# KiCad board trifecta.kicad_pcb (continued)
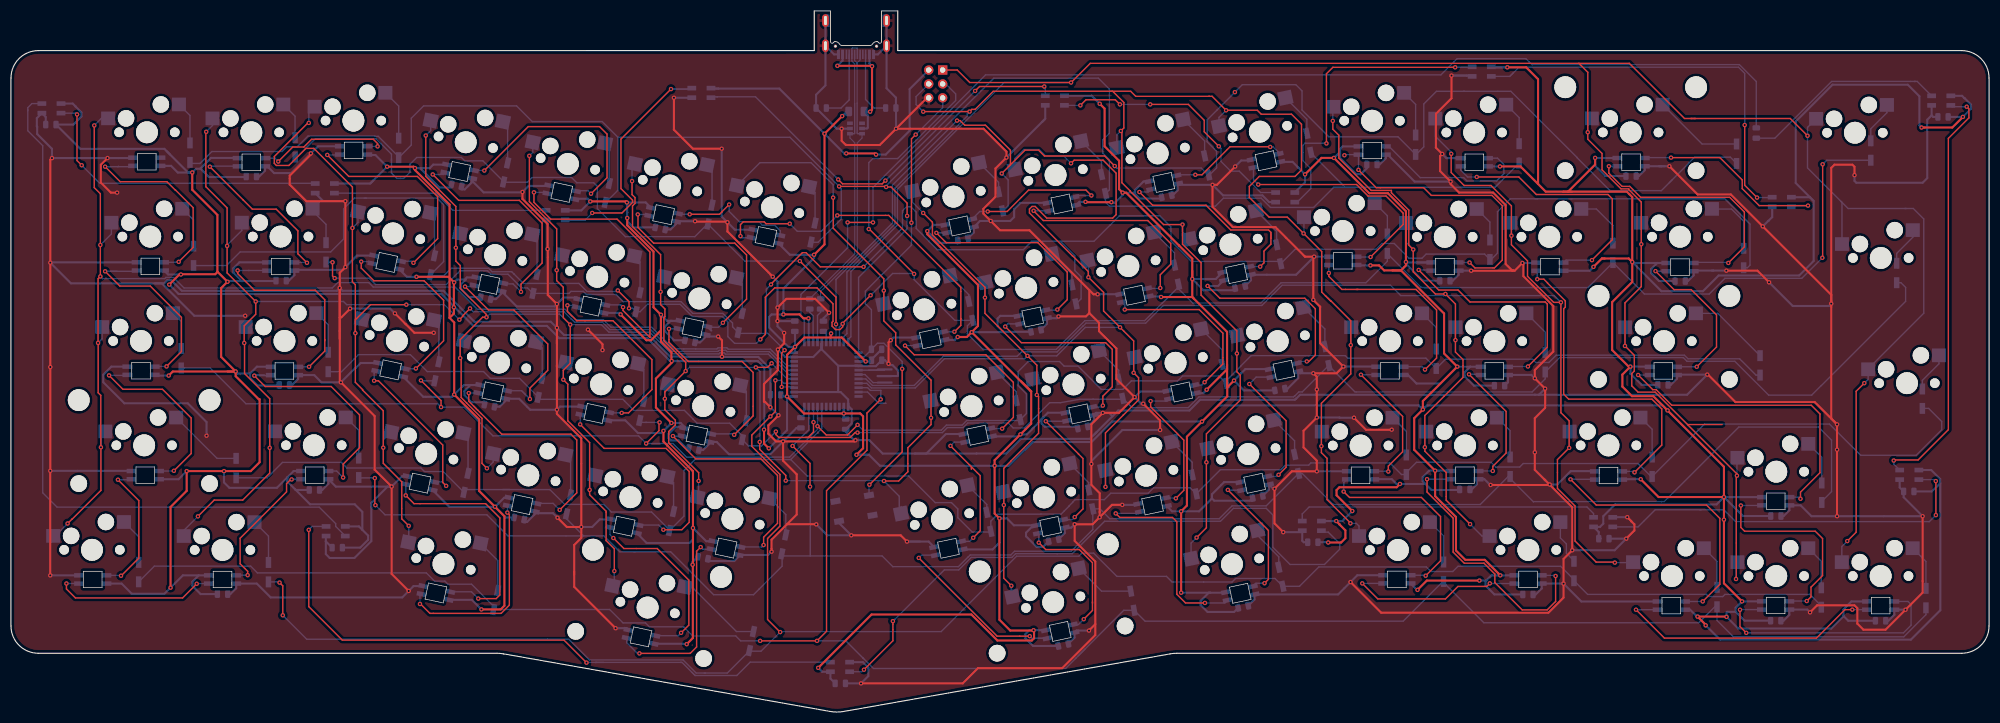
[diagram p0: board, top side]
## Nets (continued)
Net-(D_56-Pad2): D_56.2 K_56.2
Net-(D_57-Pad2): D_57.2 K_57.2
Net-(D_58-Pad2): D_58.2 K_58.2
Net-(D_59-Pad2): D_59.2 K_59.2
Net-(D_60-Pad2): D_60.2 K_60.2
Net-(D_62-Pad2): D_62.2 K_62.2
Net-(D_63-Pad2): D_63.2 K_63.2
Net-(D_64-Pad2): D_64.2 K_64.2
Net-(D_65-Pad2): D_65.2 K_65.2
Net-(D_66-Pad2): D_66.2 K_66.2
Net-(D_67-Pad2): D_67.2 K_67.2
Net-(D_68-Pad2): D_68.2 K_68.2
Net-(D_69-Pad2): D_69.2 K_69.2
Net-(D_70-Pad2): D_70.2 K_70.2
Net-(D_71-Pad2): D_71.2 K_71.2
Net-(D_72-Pad2): D_72.2 K_72.2
Net-(J1-PadA5): J1.A5 R2.2
Net-(J1-PadA8): J1.A8
Net-(J1-PadB5): J1.B5 R3.2
Net-(J1-PadB8): J1.B8
Net-(J2-Pad5): J2.5 R1.2 SW1.2 U1.13
Net-(LED1-Pad2): LED1.2
Net-(LED1-Pad4): LED1.4 LED17.2
Net-(LED2-Pad4): LED2.4 LED3.2
Net-(LED4-Pad4): LED4.4 LED5.2
Net-(LED6-Pad4): LED6.4 LED7.2
Net-(LED8-Pad4): LED8.4 LED9.2
Net-(LED10-Pad2): LED10.2 LED26.4
Net-(LED10-Pad4): LED10.4 LED11.2
Net-(LED11-Pad4): LED11.4 LED27.2
Net-(LED12-Pad2): LED12.2 LED28.4
Net-(LED12-Pad4): LED12.4 LED13.2
Net-(LED13-Pad4): LED13.4 LED29.2
Net-(LED15-Pad2): LED15.2 LED30.4
Net-(LED15-Pad4): LED15.4 ULED14.2
Net-(LED17-Pad4): LED17.4 LED33.2
Net-(LED18-Pad2): LED18.2 LED34.4
Net-(LED18-Pad4): LED2.2 LED18.4
Net-(LED19-Pad2): LED3.4 LED19.2
Net-(LED19-Pad4): LED19.4 LED35.2
Net-(LED20-Pad2): LED20.2 LED36.4
Net-(LED20-Pad4): LED4.2 LED20.4
Net-(LED21-Pad2): LED5.4 LED21.2
Net-(LED21-Pad4): LED21.4 LED37.2
Net-(LED22-Pad2): LED22.2 LED38.4
Net-(LED22-Pad4): LED6.2 LED22.4
Net-(LED23-Pad2): LED7.4 LED23.2
Net-(LED23-Pad4): LED23.4 LED39.2
Net-(LED24-Pad2): LED24.2 LED40.4
Net-(LED24-Pad4): LED8.2 LED24.4
Net-(LED25-Pad2): LED9.4 LED25.2
Net-(LED25-Pad4): LED25.4 LED41.2
Net-(LED26-Pad2): LED26.2 LED42.4
Net-(LED27-Pad4): LED27.4 LED43.2
Net-(LED28-Pad2): LED28.2 LED44.4
Net-(LED29-Pad4): LED29.4 LED59.2
Net-(LED30-Pad2): LED30.2 LED45.4
Net-(LED33-Pad4): LED33.4 LED47.2
Net-(LED34-Pad2): LED34.2 LED48.4
Net-(LED35-Pad4): LED35.4 LED49.2
Net-(LED36-Pad2): LED36.2 LED50.4
Net-(LED37-Pad4): LED37.4 LED51.2
Net-(LED38-Pad2): LED38.2 LED52.4
Net-(LED39-Pad4): LED39.4 LED53.2
Net-(LED40-Pad2): LED40.2 LED54.4
Net-(LED41-Pad4): LED41.4 LED55.2
Net-(LED42-Pad2): LED42.2 LED56.4
Net-(LED43-Pad4): LED43.4 LED57.2
Net-(LED44-Pad2): LED44.2 LED58.4
Net-(LED45-Pad2): LED45.2 LED60.4
Net-(LED47-Pad4): LED47.4 LED62.2
Net-(LED48-Pad2): LED48.2 LED63.4
Net-(LED49-Pad4): LED49.4 LED64.2
Net-(LED50-Pad2): LED50.2 LED64.4
Net-(LED51-Pad4): LED51.4 LED65.2
Net-(LED52-Pad2): LED52.2 LED65.4
Net-(LED53-Pad4): LED53.4 LED66.2
Net-(LED54-Pad2): LED54.2 LED66.4
Net-(LED55-Pad4): LED55.4 LED67.2
Net-(LED56-Pad2): LED56.2 LED67.4
Net-(LED57-Pad4): LED57.4 LED68.2
Net-(LED58-Pad2): LED58.2 LED69.4
Net-(LED59-Pad4): LED59.4 LED70.2
Net-(LED60-Pad2): LED60.2 LED71.4
Net-(LED62-Pad4): LED62.4 LED63.2
Net-(LED68-Pad4): LED68.4 LED69.2
Net-(LED70-Pad4): LED70.4 LED72.2
Net-(LED71-Pad2): LED71.2 LED72.4
Net-(R4-Pad1): R4.1 U1.4
Net-(R5-Pad1): R5.1 U1.3
Net-(R6-Pad2): R6.2 U1.33
Net-(R7-Pad1): R7.1 ULED1.4
Net-(U1-Pad16): U1.16 Y1.3
Net-(U1-Pad17): U1.17 Y1.1
Net-(U1-Pad42): U1.42
Net-(U2-Pad3): U2.3
Net-(U2-Pad4): U2.4
Net-(ULED1-Pad2): ULED1.2 ULED2.4
Net-(ULED2-Pad2): ULED2.2 ULED3.4
Net-(ULED3-Pad2): ULED3.2 ULED4.4
Net-(ULED4-Pad2): ULED4.2 ULED5.4
Net-(ULED5-Pad2): ULED5.2 ULED6.4
Net-(ULED6-Pad2): ULED6.2 ULED7.4
Net-(ULED7-Pad2): ULED7.2 ULED8.4
Net-(ULED8-Pad2): ULED8.2 ULED9.4
Net-(ULED10-Pad2): ULED10.2 ULED11.4
Net-(ULED10-Pad4): ULED9.2 ULED10.4
Net-(ULED11-Pad2): ULED11.2 ULED12.4
Net-(ULED12-Pad2): ULED12.2 ULED13.4
Net-(ULED13-Pad2): ULED13.2 ULED14.4

Pads without a net: SW1 3 4

## Via types
v1: diameter 0.8, hole 0.4, Top to Bottom, 498 vias

## Routing (per net, layer and track width the routed paths; a pad name or vN(x,y) marks a point on that pad's centre or on a via; arc(x,y) is an arc through that point)
+5V: length 2466.8
  Top w0.381: v1(41.01,62.17) 41.01,61.31 45.23,57.09 45.38,57.09 45.38,45.61 43.76,43.99 v1(38.88,43.99) v1(32.07,43.99) 32.07,40.38 29.12,37.43 v1(29.12,22.7) ; v1(41.01,62.17) 38.36,64.83 38.36,77.4 v1(39.51,78.56) 37.71,80.36 ; v1(41.01,62.17) 39.53,62.17 ; v1(41.01,62.17) 29.54,62.17 v1(28.78,61.42) ; 37.71,80.36 37.28,79.93 31.07,79.93 ; 37.71,80.36 37.67,80.4 37.67,90.77 33.09,95.35 v1(33.09,98.5) ; v1(175.33,69.35) 176.48,70.5 176.48,77.99 167.23,87.23 v1(167.23,87.8) ; v1(175.33,69.35) 186.12,58.55 186.19,58.55 ; v1(175.33,69.35) 175.31,69.33 ; v1(175.33,69.35) 174.45,68.47 v1(172.78,68.47) ; v1(295.88,82.16) 295.23,82.8 290.84,82.8 ; v1(295.88,82.16) 295.88,78.52 292.21,74.85 292.21,66.09 295.23,63.06 v1(295.53,63.06) 294.07,61.6 294.07,59.43 295.83,57.67 299.72,57.67 v1(302.32,55.07) 312.61,44.78 v1(312.61,39.25) ; v1(295.88,82.16) 295.88,94.02 294.9,95 284.11,95 ; v1(112.46,90.19) 112.46,88.87 117.26,84.07 117.26,73.89 v1(118.62,72.52) ; v1(253.48,41.64) 252.88,41.04 242.43,41.04 241.92,40.53 241.92,39.57 v1(244.79,36.7) ; 80.04,71.96 80.89,71.12 v1(80.89,57.96) 85.45,53.4 85.45,40.36 v1(88.34,37.47) 90.05,35.76 90.05,19.41 89.38,18.74 v1(85.86,18.74) ; 80.04,71.96 80.04,92.64 73.73,98.95 ; 80.04,71.96 80.83,72.75 v1(80.83,73.89) 80.83,78.38 v1(80.88,78.43) 79.85,79.46 v1(74.01,79.46) ; v1(118.62,72.52) 118.62,69.68 116.82,67.88 115.97,67.88 v1(111.26,72.59) ; v1(118.62,72.52) 118.62,67.61 120.53,65.7 120.53,63.71 117.7,60.89 117.7,55.6 v1(120.53,52.78) ; v1(118.62,72.52) 118.56,72.59 ; v1(140.98,72.59) 141,72.6 143.9,72.6 144.63,71.88 v1(145.54,71.88) ; 253.67,80.63 254.58,81.54 v1(254.58,82.17) 254.58,91.43 251.29,94.71 247.88,94.71 v1(241.44,101.16) 241.43,101.17 239.17,101.17 v1(236.16,98.16) ; 253.67,80.63 253.67,80.63 ; 253.67,80.63 252.13,80.63 ; 283.27,95 280.09,95 278.69,96.4 ; 283.27,95 284.89,95 ; 283.27,95 284.11,95 ; 221.94,59.38 221.97,59.35 221.97,57.63 v1(217.36,53.03) 214.61,50.27 214.61,37.7 v1(213.55,36.65) v1(213.55,21.79) ; 221.94,59.38 222.06,59.38 v1(223.21,60.52) ; 221.94,59.38 221.94,63.42 ; 146.34,83.48 v1(146.57,83.48) 148.47,85.38 v1(148.47,105.58) v1(151.69,108.8) ; 284.11,95 284.16,95 289.1,99.94 v1(289.1,101.17) ; 253.67,80.63 261.54,72.76 261.54,65.46 v1(263.95,63.05) 257.67,56.77 v1(257.67,55.23) 256.09,53.65 256.09,47.88 v1(259.9,44.07) 259.9,39.42 263.71,35.62 263.71,29.49 265.41,27.79 268.97,27.79 v1(271.79,24.96) ; 253.67,80.63 252.13,80.63 ; 31.07,79.93 30.78,79.93 v1(28.88,78.04) ; 31.07,79.93 v1(31.02,79.88) ; 112.46,92.97 112.21,93.23 v1(105.73,93.23) ; v1(312.61,39.25) 300.69,39.25 v1(297.43,42.51) ; v1(312.61,39.25) v1(312.61,35.12) 312.61,23.5 v1(315.91,20.21) ; v1(248.1,81.54) 249.68,81.54 250.6,80.63 252.13,80.63 ; v1(152.44,101.99) 157.66,101.99 v1(157.87,101.77) ; 278.69,96.4 275.48,99.61 v1(271.73,99.61) ; 278.69,96.4 278.69,115.54 276.52,117.7 v1(273.08,117.7) ; v1(147.32,8.07) 157.06,17.81 175.28,17.81 180.02,13.06 186.3,13.06 186.71,13.47 186.71,14.85 v1(186.62,14.94) 186.57,14.88 182.36,14.88 180.39,16.85 v1(180.39,35.35) 179.52,36.23 v1(179.52,44.96) 179.52,45.98 v1(184.24,50.7) 186.19,52.65 186.19,58.55 ; 149.6,68.38 149.6,69.05 v1(149.67,69.12) ; 149.6,68.38 144.81,68.38 v1(143.09,66.66) 141.64,65.22 141.64,58.19 141.63,58.18 v1(141.63,57.62) 144.74,54.51 v1(151.99,54.51) 154.98,54.51 155.51,53.99 155.51,48.16 v1(154.31,46.97) ; 149.6,68.38 151.62,68.38 v1(155.98,64.02) ; v1(119.08,51.33) 119.08,49.38 119.78,48.68 119.78,48.64 124.45,43.97 124.46,43.97 v1(124.46,33.6) 124.46,26.95 v1(124.4,26.89) 124.44,26.85 124.44,13.51 v1(123.32,12.39) ; 221.94,63.42 221.94,69.41 215.87,75.48 ; 221.94,63.42 221.94,62.57 v1(218.21,58.85) ; v1(196.1,93.14) 196.16,93.08 v1(200.82,93.08) ; v1(240.39,30.95) 242.75,30.95 243.53,31.73 243.53,33.17 242.43,34.26 242.43,34.29 v1(241.86,34.87) ; 73.73,98.95 v1(73.73,99.31) ; 73.73,98.95 v1(73.73,99.31) ; v1(73.73,99.31) 73.47,99.56 v1(68.65,99.56) ; v1(267.99,24) 258.39,24 v1(256.69,22.3) ; 290.84,82.8 290.37,82.8 ; 290.84,82.8 290.34,82.8 v1(288.81,81.27) ; 186.19,58.55 184.34,60.4 ; 215.87,75.48 215.59,75.76 v1(215.59,79.07) ; 215.87,75.48 215.58,75.77 v1(209.89,75.77) ; v1(356.22,108.65) 354.29,106.72 v1(348.68,106.72) ; v1(138.31,48.14) 137.43,49.01 v1(137.43,51.55) ; v1(198.69,111.05) 199.58,110.17 199.58,103.29 202.22,100.65 202.22,95.47 v1(202.89,94.81) 203.52,94.81 213.17,85.16 213.18,85.16 215.59,82.76 v1(215.59,79.07) ; v1(215.59,79.07) 215.59,80.53 ; v1(309.28,15.83) 309.28,15.94 v1(307.79,17.43) 313.03,17.43 v1(313.08,17.38)
  Bottom w0.381: LED44.1 268.18,63.05 266.31,63.05 ; 34.27,24.95 33.11,23.79 33.11,23.03 34.61,21.53 C63.1 ; 34.27,24.95 LED63.1 ; 34.27,24.95 31.37,24.95 v1(29.12,22.7) 28.01,21.59 22.06,21.59 20.2,23.45 LED62.1 ; 51.82,40.7 54.59,37.93 62.74,37.93 64.12,36.55 64.12,33.28 ; 51.82,40.7 50.43,42.08 50.43,42.84 ; 51.82,40.7 51.97,40.54 C48.1 ; LED71.1 v1(315.91,20.21) 314.75,19.05 314.75,18.29 ; 242.56,102.78 242.56,102.28 v1(241.44,101.16) ; 242.56,102.78 243.04,103.26 LED12.1 ; 242.56,102.78 242.56,101.16 245.53,98.19 246.35,98.19 247.43,99.27 C12.1 ; v1(288.81,81.27) 288.1,80.56 LED29.1 ; v1(295.88,82.16) 301.21,76.83 308.78,76.83 311.65,79.7 326.34,79.7 328.99,82.35 328.99,93.3 328.77,93.52 ; v1(295.88,82.16) 295.94,82.1 ; v1(295.88,82.16) 296.06,81.98 300.44,81.98 ; v1(312.61,39.25) 311.27,37.9 292.74,37.9 290.59,35.75 290.59,34.4 290,33.8 ULED3.1 289.77,32.85 C75.1 ; v1(312.61,39.25) 312.63,39.23 LED60.1 ; v1(312.61,39.25) 316.08,35.79 C60.1 ; LED48.1 51.59,44 50.43,42.84 ; 64.12,33.28 63.51,33.89 ULED6.1 ; 64.12,33.28 65.18,32.21 65.18,31.45 63.75,30.01 C78.1 ; LED49.1 80.01,37.47 v1(88.34,37.47) ; LED19.1 72.24,79.46 v1(74.01,79.46) ; ULED5.1 149.55,6.1 C77.1 150.42,5.32 ; ULED5.1 149.3,7.11 ; ULED5.1 148.03,7.36 v1(147.32,8.07) ; 34.52,99.18 36.5,101.16 41.32,101.16 41.37,101.11 ; 34.52,99.18 34.61,99.18 36.13,97.67 42.64,97.67 ; 34.52,99.18 33.77,99.18 v1(33.09,98.5) ; LED41.1 217.58,58.22 v1(218.21,58.85) ; v1(88.34,37.47) 90,39.13 LED50.1 ; v1(88.34,37.47) 90.28,35.53 C50.1 ; v1(88.34,37.47) 88.46,37.35 ; C9.1 151.99,53.84 v1(151.99,54.51) 151.99,55.92 ; 149.6,68.38 149.59,68.37 149.59,67.32 ; 119.07,72.08 v1(118.62,72.52) 118.78,72.36 ; 119.07,72.08 119.19,71.95 ; 119.07,72.08 119.73,71.42 120.62,71.42 ; LED18.1 46.72,82.1 41.68,82.1 40.58,80.99 40.58,80.24 42.13,78.68 ; v1(138.31,48.14) 141.63,51.47 v1(141.63,57.62) ; 235,99.33 233.88,100.44 LED11.1 ; 235,99.33 v1(236.16,98.16) 236.16,96.72 ULED12.1 ; 235,99.33 234.77,99.55 ; v1(348.68,106.72) 348.28,107.12 348.28,112.42 346.17,114.53 332.42,114.53 325.71,107.82 325.71,96.58 328.77,93.52 ; 334.43,17.49 334.43,18.75 335.87,20.19 LED72.1 ; 334.43,17.49 332.19,15.25 315.21,15.25 v1(313.08,17.38) 313.08,18.19 313.19,18.29 314.75,18.29 ; 334.43,17.49 334.47,17.49 335.3,16.66 C72.1 ; v1(85.86,18.74) 84.11,20.48 LED64.1 ; C18.1 48.29,78.68 42.13,78.68 ; C69.1 270.73,21.47 269.09,23.11 269.09,23.87 269.27,24.05 ; C26.1 223.02,77 217.65,77 v1(215.59,79.07) 219.88,79.07 LED26.1 ; 66.09,97 65.57,96.49 ULED8.1 59.11,96.57 ; 66.09,97 v1(68.65,99.56) 66.52,101.69 65.12,101.69 LED3.1 ; 66.09,97 65.66,96.57 ; 207.74,75.77 LED25.1 209.78,75.88 v1(209.89,75.77) 209.81,75.85 ; 300.44,81.98 LED30.1 ; 300.44,81.98 299.33,80.88 299.33,80.12 300.77,78.69 C30.1 ; 352.1,41.81 352.1,18.59 346.73,13.22 311.9,13.22 v1(309.28,15.83) ; LED51.1 116,30.87 123.83,30.87 124.46,31.5 v1(124.46,33.6) 126.88,31.18 LED52.1 127.29,31.18 ; 181.17,69.35 180.06,70.46 180.06,71.84 180.55,72.33 LED24.1 ; 181.17,69.35 181.24,69.42 C24.1 ; 181.17,69.35 v1(175.33,69.35) ; C42.1 225.01,58.72 v1(223.21,60.52) 224.53,61.85 224.53,61.86 225.28,62.61 LED42.1 ; 80.91,73.97 84.39,70.5 97.82,70.5 100.05,68.26 116.12,68.26 120.3,64.08 120.57,64.08 ; 80.91,73.97 v1(80.83,73.89) ; 80.91,73.97 78.56,76.33 30.6,76.33 v1(28.88,78.04) ; C54.1 188.33,30.14 187.19,30.14 185.25,32.09 185.25,32.74 186.6,34.09 LED54.1 183.03,34.09 181.76,35.35 v1(180.39,35.35) 180.39,30.93 179.15,29.69 LED53.1 ; F1.1 152.53,109.64 v1(151.69,108.8) ; 205.14,94.91 205.14,95.32 206.68,96.86 207.74,96.86 ; 205.14,94.91 205.14,94.56 205.97,93.74 209.9,93.74 ; 205.14,94.91 205.05,94.81 v1(202.89,94.81) 202.89,94.39 201.45,92.95 200.95,92.95 v1(200.82,93.08) ; LED20.1 83.2,79.34 82.97,79.11 82.97,78.94 ; 129.09,113.82 140.22,113.82 v1(148.47,105.58) 152.06,101.99 v1(152.44,101.99) ; 129.09,113.82 127.84,113.82 ULED10.1 ; 129.09,113.82 128.66,113.82 ; LED70.1 306.43,18.68 307.74,17.38 307.74,17.38 v1(307.79,17.43) ; v1(271.79,24.96) LED69.1 ; v1(271.79,24.96) 270.18,24.96 269.27,24.05 ; v1(271.79,24.96) 271.47,24.96 ; 269.27,24.05 269.23,24 v1(267.99,24) ; LED35.1 75.24,57.55 80.48,57.55 v1(80.89,57.96) 82.34,59.41 82.4,59.41 82.69,59.7 LED36.1 83.84,59.7 82.76,58.61 82.76,57.85 84.06,56.55 86.01,56.55 C36.1 ; LED68.1 256.64,22.26 256.64,22.26 v1(256.69,22.3) ; 295.54,63.07 v1(295.53,63.06) ; v1(295.53,63.06) 295.53,61.78 297.58,59.73 C45.1 ; v1(295.53,63.06) 299.01,63.06 LED45.1 ; LED8.1 168.39,88.96 v1(167.23,87.8) 169.35,85.68 172.41,85.68 C8.1 ; LED56.1 221.4,41.98 219.18,39.76 219.18,39 ; v1(141.63,57.62) 140.8,57.62 C13.1 ; v1(141.63,57.62) 143.09,57.62 ; C44.1 266.99,59.59 265.3,61.28 265.3,62.04 266.31,63.05 ; 82.08,77.47 82.08,77.28 83.59,75.78 C20.1 ; 82.08,77.47 82.08,77.29 ; 82.08,77.47 82.08,78.05 82.97,78.94 ; 266.31,63.05 v1(263.95,63.05) 260.87,59.98 256.51,59.98 254.95,61.54 LED43.1 ; C52.1 124.4,27.4 v1(124.4,26.89) ; 188.43,53.84 188.06,53.47 188.06,52.71 188.69,52.09 194.36,52.09 C40.1 ; 188.43,53.84 189.23,54.65 LED40.1 ; 188.43,53.84 187.68,53.09 187.68,52.99 186.35,51.66 186.35,51.63 185.42,50.7 v1(184.24,50.7) 183.86,50.32 LED39.1 ; ULED1.1 356.06,112.5 356.5,112.07 356.53,112.07 357.71,110.89 357.71,110.13 v1(356.22,108.65) C73.1 ; v1(145.54,71.88) 145.59,71.83 145.59,67.32 ; J2.2 164,113.72 164,106.13 159.64,101.77 v1(157.87,101.77) ; 42.13,78.68 39.64,78.68 v1(39.51,78.56) ; v1(244.79,36.7) 243.29,35.2 243.29,35.17 242.98,34.87 v1(241.86,34.87) ULED4.1 ; 82.97,78.94 81.38,78.94 v1(80.88,78.43) ; 73.83,99.42 v1(73.73,99.31) ; v1(73.73,99.31) 76.44,99.31 77.07,99.94 LED4.1 ; v1(73.73,99.31) 74.67,99.31 76.19,97.79 76.19,97.76 78.21,95.74 80.3,95.74 ; 50.43,42.84 48.52,40.93 39.87,40.93 38.88,41.92 v1(38.88,43.99) ; v1(213.55,21.79) 218.86,21.79 ; 218.86,21.79 218.6,21.79 217.11,20.3 217.11,19.54 218.37,18.28 223.22,18.28 C67.1 ; 218.86,21.79 221.63,21.79 LED67.1 ; LED21.1 110.98,72.87 v1(111.26,72.59) ; 120.57,64.08 136.31,64.08 137.48,62.91 137.48,51.55 ; 120.57,64.08 v1(120.58,64.09) ; 256.49,82.05 256.53,82.09 LED28.1 254.66,82.09 v1(254.58,82.17) 254.58,81.86 257.69,78.74 C28.1 ; LED57.1 248.84,42.51 252,42.51 252.87,41.64 v1(253.48,41.64) 258.14,41.64 ; C71.1 316.37,16.68 314.75,18.29 ; v1(32.07,43.99) 30.58,42.5 LED47.1 ; v1(149.67,69.12) 149.67,67.6 U1.7 ; C22.1 120.99,67.88 119.29,69.58 119.29,70.34 120.37,71.42 120.62,71.42 ; LED17.1 28.66,79.88 v1(31.02,79.88) ; v1(196.1,93.14) 194.99,93.14 LED9.1 ; LED7.1 142.15,83.48 v1(146.57,83.48) 146.57,82.91 140.98,77.32 v1(140.98,72.59) 138.81,72.59 138.37,72.14 138.37,70.18 141.88,66.66 v1(143.09,66.66) ; LED65.1 123.24,12.47 v1(123.32,12.39) ; v1(33.09,98.5) 30.44,98.5 29.23,99.71 LED1.1 ; v1(33.09,98.5) 32.32,98.5 28.99,101.83 ; LED22.1 120.62,71.42 ; v1(112.4,93.03) 112.46,92.97 v1(112.46,90.19) 112.46,89.61 112.93,89.13 112.93,89.08 113.53,88.49 C6.1 ; v1(112.4,93.03) 112.62,92.81 ; v1(112.4,93.03) 115.83,93.03 LED6.1 ; v1(271.73,99.61) 271.72,99.62 LED13.1 ; 154.49,64.02 v1(155.98,64.02) 156.83,64.02 C11.1 157.04,64.37 R1.1 ; 258.14,41.64 259.23,40.55 264.13,40.55 ; 258.14,41.64 257.64,42.14 257.64,42.89 258.81,44.07 260.53,44.07 ; C38.1 123.21,48.23 121.85,49.6 120.43,49.6 120.02,50.01 120.02,50.77 121.34,52.09 122.9,52.09 122.21,52.78 v1(120.53,52.78) ; LED15.1 289.13,101.14 v1(289.1,101.17) 289.1,99.73 290.98,97.86 C15.1 ; 328.77,93.52 328.31,93.98 325.71,93.98 ; 312.55,35.06 v1(312.61,35.12) ; C76.1 240.34,31 v1(240.39,30.95) ; 219.18,39 219.59,38.59 226.12,38.59 C56.1 ; 219.18,39 216.83,36.65 v1(213.55,36.65) 211.89,36.65 LED55.1 ; ULED2.1 350.43,44.19 352.07,42.55 352.07,41.79 350.56,40.27 C74.1 ; v1(28.78,61.42) 26.38,61.42 LED33.1 ; C16.1 143.09,69.45 v1(143.09,66.66) ; LED34.1 47.37,63.05 44.88,63.05 43.63,61.79 ; 43.63,61.79 41.39,61.79 v1(41.01,62.17) ; 43.63,61.79 43.63,61.03 45.02,59.63 48.88,59.63 C34.1 ; 28.99,101.83 28,102.82 12.65,102.82 C79.1 11.39,107.25 12.85,108.72 12.85,109.48 11.79,110.54 11.79,110.57 11.27,111.09 ULED7.1 ; 28.99,101.83 28.41,102.41 ; LED23.1 172.24,67.94 v1(172.78,68.47) ; LED37.1 112.11,53.26 114.43,50.93 118.69,50.93 v1(119.08,51.33) v1(120.53,52.78) ; 155.53,46.96 156.32,46.96 154.31,46.96 v1(154.31,46.97) 156.58,46.97 158.59,44.96 v1(179.52,44.96) 182.12,44.96 185.1,47.95 185.14,47.95 186.49,49.3 197.2,49.3 200.95,53.05 217.35,53.05 v1(217.36,53.03) 220.33,55.99 256.91,55.99 v1(257.67,55.23) 258.43,55.99 301.4,55.99 v1(302.32,55.07) ; v1(120.53,52.78) 120.56,52.74 ; 102.86,93.7 105.25,93.7 v1(105.73,93.23) 104.09,91.58 101.17,91.58 ULED9.1 ; v1(248.1,81.54) 245.64,81.54 LED27.1 ; 258.77,82.07 258.82,82.12 ; 143.09,65.62 v1(143.09,66.66) ; v1(259.9,44.07) 260.53,44.07 ; 260.53,44.07 262.5,44.07 262.55,44.02 ; LED59.1 294.12,42.51 v1(297.43,42.51) 297.4,42.48 ; v1(198.69,111.05) 197.24,112.51 ULED11.1 ; 270.69,117.71 270.7,117.7 v1(273.08,117.7) 270.25,117.7 ULED13.1 ; 188.84,14.89 LED66.1 v1(186.62,14.94) 185.84,14.94 185.13,14.23 185.13,13.47 186.54,12.07 C66.1 ; 290.13,31.68 290.08,31.68
GND: length 2452.4
  Top w0.381: 59.99,72.07 60.31,72.07 v1(61.89,73.65) ; 59.99,72.07 59.99,68.12 ; 59.99,72.07 v1(59.99,77.42) 60.01,77.4 60.01,77.37 ; v1(206.64,56.29) 209.71,53.22 v1(209.71,51.49) ; v1(146.96,34.27) 146.93,34.3 141.64,34.3 ; v1(333.25,35.76) v1(333.25,47.89) v1(333.25,52.52) ; v1(161.52,106.49) 158.56,103.53 152.37,103.53 151.59,104.3 v1(151.59,106.5) ; v1(161.52,106.49) 177.5,106.49 181.68,102.31 v1(181.68,101.23) 179.67,99.22 179.67,94.07 177.46,91.86 177.46,91 v1(178.81,89.66) 180.51,87.96 185.87,87.96 197.55,76.27 v1(198.31,76.27) ; v1(161.52,106.49) 167.16,112.13 J2.6 ; 279.97,42.35 278.1,44.22 v1(278.1,47.42) 278.1,53.66 279.98,55.54 v1(279.98,59.04) v1(278.1,60.93) 278.1,62.43 281.47,65.8 281.47,74.12 276.01,79.58 276.01,81.82 v1(275.84,81.98) 274.42,80.57 274.06,80.57 ; 279.97,42.35 284.93,37.39 v1(284.93,29.54) 283.34,27.95 v1(283.34,23.44) 283.34,20.9 280.57,18.13 250.07,18.13 v1(244.47,23.73) ; 279.97,42.35 279.76,42.55 ; v1(139.02,79.48) 130.75,87.75 v1(130.75,89.42) 130.64,89.53 124.92,89.53 v1(124.84,89.61) ; v1(104.08,33.79) 101.43,33.79 v1(99.74,35.48) ; v1(104.08,33.79) 104.08,31.8 102.79,30.51 102.79,25.6 ; v1(104.08,33.79) 104.08,49.98 99.64,54.43 v1(99.64,55.19) 99.64,67.26 ; 60.01,77.37 60.01,69.5 ; 60.01,77.37 60.01,80.21 v1(61.03,81.22) v1(61.03,93.26) 53.89,93.26 50.87,96.29 50.87,97.93 54.73,101.79 v1(54.73,102) ; v1(139.89,71.38) v1(139.89,73.83) 141.49,75.43 146.76,75.43 v1(149.29,72.9) ; v1(129.76,64.87) 129.76,67.86 v1(129.06,68.56) ; 60.01,69.5 60.01,60.4 v1(60.21,60.19) 66.37,54.04 66.37,44.26 v1(69.47,41.16) 69.47,25.22 v1(72.58,22.11) ; 60.01,69.5 60.01,70 ; 196.79,72.84 198.57,71.06 198.57,69.54 201.74,66.37 201.74,60.81 v1(205.06,57.49) 202.19,54.62 v1(199.26,54.62) 197.17,52.53 v1(197.17,45.29) 197.17,41.47 198.7,39.95 198.7,36.52 198.68,36.5 v1(198.68,35.56) ; 196.79,72.84 196.79,77.03 ; 196.79,72.84 196.18,72.23 191.19,72.23 v1(191.18,72.22) ; v1(17.62,101.14) 16.4,99.91 16.4,96.66 18.23,94.83 v1(19.38,94.83) ; v1(154.12,49.62) 153.91,49.41 v1(140.91,49.41) ; v1(232.19,32.84) 230.59,34.44 v1(230.59,40.77) 233.77,43.95 v1(238.31,43.95) 238.31,45.89 235.89,48.32 235.89,51.35 v1(238.31,53.77) v1(238.31,58.88) 238.31,61.21 v1(237.68,61.85) 241.93,61.85 v1(243.16,63.08) 238.91,67.33 238.91,74.01 v1(237.68,75.25) 237.68,82.98 v1(237.82,83.13) 236.16,83.13 230.76,88.53 222.98,88.53 219.28,92.23 v1(219.28,96.25) 220.07,96.25 v1(223.41,99.59) ; v1(348.87,35.76) 348.87,21.8 v1(345.75,18.68) 342.1,15.03 338.07,15.03 336.96,16.14 336.96,18.95 336.42,19.48 329.62,19.48 v1(328.33,18.19) ; v1(129.71,102.84) 124.45,102.84 120.99,106.31 v1(120.99,112.15) ; 141.64,34.3 143.39,36.05 143.39,43.4 140.91,45.89 v1(140.91,49.41) ; 141.64,34.3 138.8,31.47 v1(138.8,29.28) ; v1(198.68,35.56) 200.94,37.82 v1(202.81,37.82) ; v1(198.68,35.56) 197.4,34.28 v1(194.12,34.28) 194.12,31.24 197.89,27.48 197.89,16.04 ; v1(105.3,69.81) 107.96,67.16 v1(107.96,66.08) ; 102.79,25.6 102.79,22.86 v1(110.34,15.31) ; 102.79,25.6 102.79,25.11 ; v1(141.1,69.22) 141.1,67.32 v1(139.96,66.17) 139.96,62.43 137.42,59.89 137.42,56.65 137.59,56.65 v1(138.59,55.65) ; v1(93.35,94.94) 93.35,93.67 97.93,89.09 v1(97.93,84.54) 97.97,84.49 97.97,76.16 v1(99.64,74.49) v1(99.64,70.14) 99.64,67.26 ; v1(294.96,35.58) 295.72,34.82 295.72,34.81 296.27,34.26 296.27,33.14 v1(294.78,31.65) ; v1(140.91,49.41) 139.62,49.41 138.22,50.8 138.22,52.32 v1(140.08,54.17) ; v1(333.25,52.52) 329.19,56.59 314.71,56.59 309.69,61.6 v1(309.57,61.6) ; v1(333.25,52.52) 332.2,53.58 v1(332.2,74.56) ; v1(155.13,5.23) 173.68,5.23 176.47,8.03 191.86,8.03 197.89,14.06 197.89,16.04 ; 197.89,16.04 196.92,15.07 196.92,15.05 v1(196.74,14.87) ; 262.73,116.04 v1(262.9,116.2) 262.9,112.05 260.05,109.21 260.05,103.03 v1(261.2,101.88) 260.81,101.5 260.81,98.76 v1(262.73,96.84) 262.73,96.38 264.27,94.84 270.49,94.84 272.78,92.55 272.78,81.8 273.93,80.65 274.14,80.65 274.06,80.57 ; 274.06,80.57 v1(266.48,80.57) ; 99.64,67.26 99.64,67.7 ; v1(7.17,24.95) 7.17,44.03 v1(7.18,44.04) v1(7.18,62.99) v1(7.18,82.04) 7.18,100.83 v1(7.48,101.14) ; v1(160.56,67.89) 160.16,67.49 v1(160.16,63.58) ; v1(332.2,74.56) 332.2,99.36 332.77,99.93 336.05,99.93 336.44,99.54 v1(336.44,98.01) ; v1(332.2,74.56) 332.2,75.12 ; v1(332.2,74.56) 332.2,76.17 v1(319.7,88.66) 313.87,94.49 307.81,94.49 v1(302.66,99.65) ; v1(77.16,69.24) 73.62,69.24 72.04,70.82 72.03,70.82 v1(70.07,72.78) ; v1(313.05,80.59) 318.72,80.59 v1(320.84,78.46) ; v1(280.81,41.54) 280.73,41.46 v1(270.04,41.46) ; v1(153.36,32.27) 162.37,32.27 v1(163.52,31.12) ; v1(251.98,51.55) 251.96,51.52 247.31,51.52 v1(245.1,53.73)
  Bottom w0.381: C67.2 226.94,20.55 226.94,21.44 ; 57.46,31.16 57.46,28.83 58.16,28.13 62.68,28.13 65.77,31.21 65.77,37.35 65.72,37.39 65.72,38.15 68.73,41.16 v1(69.47,41.16) ; 57.46,31.16 57.46,32.08 ULED6.3 ; 57.46,31.16 C78.2 58.61,30.2 ; 278.1,57.95 278.12,57.92 ; 278.12,57.92 238.25,57.92 ; 278.12,57.92 278.84,57.92 ; J1.S1 148.64,114.41 146.93,112.7 R2.1 150.7,106.5 v1(151.59,106.5) 153.08,106.5 U2.2 ; J1.S1 J1.S1 ; J1.S1 150.22,120.06 J1.A1B12 ; J1.S1 159.79,125.87 J1.S1 ; J1.S1 159.79,113.88 161.5,112.17 R3.1 161.52,110.26 v1(161.52,106.49) ; J1.S1 158.21,120.06 J1.B1A12 ; C74.2 345.41,40.48 ; C74.2 344.69,41 ULED2.3 ; C74.2 345.41,39.21 v1(348.87,35.76) v1(333.25,35.76) 328.59,35.76 326.61,37.73 LED60.3 324.57,36.84 323.51,35.79 C60.2 ; LED64.3 73.47,22.99 v1(72.58,22.11) ; LED51.3 107.46,35.17 106.08,33.79 v1(104.08,33.79) ; v1(69.47,41.16) 59.28,41.16 LED48.3 57.94,41.68 56.8,40.54 C48.2 ; v1(69.47,41.16) 71.36,43.04 LED49.3 ; 6.35,107.48 C79.2 6.35,108.63 ULED7.3 ; LED59.3 289,43.98 284.64,43.98 282.2,41.54 v1(280.81,41.54) ; v1(61.03,81.22) 63.14,83.34 LED19.3 ; v1(61.03,81.22) 60.54,80.73 51.88,80.73 LED18.3 51.74,79.77 50.73,78.77 C18.2 ; v1(61.03,81.22) 59.95,80.15 ; v1(61.03,81.22) 60.77,80.97 ; v1(206.64,56.29) 206.26,56.29 v1(205.06,57.49) 206.08,58.51 210.92,58.51 LED41.3 ; v1(105.3,69.81) 106.27,68.84 106.96,68.84 ; 264.55,101.11 LED13.3 261.97,101.12 v1(261.2,101.88) ; 188.2,107.75 v1(181.68,101.23) ; 188.2,107.75 188.76,108.31 ULED11.3 ; 188.2,107.75 188.63,108.19 ; v1(149.29,72.9) 148.28,71.89 C1.2 ; Y1.2 161.8,61.35 161.87,61.41 161.87,62.35 160.87,63.35 160.39,63.35 v1(160.16,63.58) 159.51,64.23 C11.2 157.83,63.14 154.56,63.14 154.49,63.22 150.96,63.22 ; v1(309.57,61.6) 304.14,61.6 LED45.3 304.05,60.88 302.91,59.73 C45.2 ; v1(309.57,61.6) 309.53,61.57 ; v1(309.57,61.6) 305.89,57.92 301.79,57.92 ; 310.67,80.6 307.21,80.6 LED30.3 307.09,79.73 306.05,78.69 C30.2 ; 310.67,80.6 310.38,80.6 ; 310.67,80.6 313.04,80.6 v1(313.05,80.59) ; v1(130.75,89.42) 132.11,88.06 LED7.3 ; v1(130.75,89.42) 129.71,90.46 v1(129.71,102.84) ; v1(130.75,89.42) 130.78,89.45 ; C8.2 175.72,87.55 LED8.3 176.84,89.66 v1(178.81,89.66) ; C22.2 125.76,67.49 126.76,68.49 LED22.3 127.11,68.56 v1(129.06,68.56) ; R6.1 143.36,51.86 v1(140.91,49.41) 138.56,47.06 131.04,47.06 128.79,49.31 LED38.3 127.48,49 126.31,47.84 C38.2 ; 211.74,94.06 212.92,95.24 212.92,96.25 v1(219.28,96.25) 221.2,94.33 228.38,94.33 229.61,93.1 ULED12.3 ; 150.96,63.22 147.99,66.18 147.99,67.32 147.85,67.18 147.85,66.25 146.41,64.82 141.32,64.82 v1(139.96,66.17) ; 150.96,63.22 150.96,58.54 151.08,58.42 ; C40.2 197.63,53.27 LED40.3 198.04,54.62 v1(199.26,54.62) 200.4,54.62 201.03,54 ; LED11.3 226.27,100.7 224.52,100.7 v1(223.41,99.59) ; ULED3.3 292.35,35.58 v1(294.96,35.58) ; v1(139.02,79.48) 139.89,78.61 v1(139.89,73.83) ; LED67.3 242.2,21.47 v1(244.47,23.73) 245.71,24.98 LED68.3 ; 5.34,109.04 ULED7.3 ; ULED7.3 4.72,108.42 4.72,106.93 4.78,106.87 4.78,105.52 7.48,102.82 v1(7.48,101.14) v1(17.62,101.14) 19.59,101.14 ; v1(61.03,93.26) 57,93.26 ULED8.3 ; C34.2 51.32,59.71 52.4,60.8 LED34.3 55.35,61.51 56.67,60.19 v1(60.21,60.19) 62.8,62.78 62.88,62.78 63.83,63.72 LED35.3 ; v1(266.48,80.57) 266.46,80.59 LED28.3 264.2,79.83 263.11,78.74 C28.2 ; 238.38,44.01 v1(238.31,43.95) 243.77,43.95 LED57.3 ; C2.2 45.3,97.77 46.37,98.84 46.37,99.61 ; 201.03,54 202.08,55.05 215.05,55.05 217.02,57.02 234.3,57.02 234.49,57.21 234.54,57.21 235.25,57.92 238.25,57.92 ; 201.03,54 198.08,51.05 ; 278.84,57.92 301.79,57.92 ; 278.84,57.92 278.86,57.92 v1(279.98,59.04) ; 301.79,57.92 301.82,57.92 ; 238.25,57.92 238.25,58.82 v1(238.31,58.88) ; ULED5.3 155.47,9.11 156.46,8.11 156.46,6.57 v1(155.13,5.23) C77.2 ; LED24.3 190.86,71.9 v1(191.18,72.22) ; LED24.3 189.07,70.9 C24.2 ; LED24.3 189.38,72.22 ; v1(35.69,50.45) 35.69,52.94 32.27,56.37 20.69,56.37 16.84,60.22 16.84,61.58 18.32,63.06 LED33.3 ; v1(7.18,44.04) 21.98,44.04 LED47.3 ; 301.22,99.65 298.17,99.65 LED15.3 298.17,98.93 297.09,97.86 C15.2 ; 301.22,99.65 300.77,99.65 v1(302.66,99.65) ; 301.22,99.65 301.77,99.65 ; C75.2 v1(294.78,31.65) 292.67,29.54 v1(284.93,29.54) ; LED29.3 278.28,81.98 v1(275.84,81.98) ; v1(97.93,84.54) 97.93,89.58 ULED9.3 97.66,89.75 ; 26.31,78.27 27.54,78.27 33.46,72.34 v1(42.74,72.34) ; 26.31,78.27 10.95,78.27 v1(7.18,82.04) 7.24,82.1 22.93,82.1 LED17.3 ; 26.31,78.27 27.95,78.27 28.5,78.83 29.26,78.83 31.19,76.91 59.47,76.91 v1(59.99,77.42) 60.51,76.91 78.93,76.91 84.58,71.26 98.51,71.26 v1(99.64,70.14) 100.93,68.84 106.96,68.84 ; v1(99.74,35.48) 98.92,36.3 95.89,36.3 LED50.3 95.57,36.08 94.19,34.71 93.67,34.71 ; v1(110.34,15.31) 112.37,15.31 112.65,15.02 ; v1(197.17,45.29) 197.17,45.83 202.83,51.49 v1(209.71,51.49) ; 198.5,76.46 v1(198.31,76.27) 202.4,76.27 LED25.3 ; v1(194.12,34.28) 193.5,33.66 LED54.3 192.32,32.68 C54.2 ; 106.96,68.84 116.36,68.84 120.32,64.88 122.08,64.88 122.09,64.87 v1(129.76,64.87) 129.8,64.83 136.38,64.83 138.6,62.61 C13.2 138.6,55.67 v1(138.59,55.65) v1(140.08,54.17) ; v1(70.07,72.78) 69.2,73.65 v1(61.89,73.65) ; v1(154.12,49.62) 156.66,49.62 159.09,47.19 164.98,47.19 ; 198.08,51.05 196.91,49.88 184.3,49.88 181.63,47.21 176.21,47.21 176.2,47.19 164.98,47.19 ; 198.08,51.05 197.71,50.68 ; 19.59,101.14 19.6,101.15 ; 19.59,101.14 22.21,101.14 LED1.3 ; 151.08,58.42 151.42,58.42 152.79,57.05 152.79,55.92 153.43,55.27 153.43,52.7 C9.2 152.34,51.19 154.12,49.41 ; 151.08,58.42 143.09,58.42 ; C69.2 278.27,21.47 279.36,22.56 LED69.3 283.32,23.46 v1(283.34,23.44) 286.6,20.18 LED70.3 ; v1(72.58,22.11) 71.4,20.92 47.4,20.92 44.87,23.45 LED63.3 41.11,22.61 40.04,21.53 C63.2 ; v1(72.58,22.11) 72.74,22.26 ; 236.65,31.1 C76.2 235.92,31 235.66,31.27 ULED4.3 235.38,32.84 v1(232.19,32.84) 232.19,32.84 ; 98.19,96.05 94.46,96.05 v1(93.35,94.94) 93.29,94.88 86.25,94.88 84.06,97.07 84.06,96.65 82.82,95.41 82.14,95.41 ; v1(270.04,41.46) 269.95,41.54 269.87,41.54 268.89,42.52 267.55,42.52 267.55,41.61 266.49,40.55 266,40.55 ; v1(238.31,53.77) 242.43,53.77 242.47,53.73 v1(245.1,53.73) ; v1(332.2,74.56) 331.77,74.13 325.17,74.13 v1(320.84,78.46) ; LED43.3 249.12,63.08 v1(243.16,63.08) ; 230.61,40.83 230.61,40.79 v1(230.59,40.77) 230.35,40.77 LED56.3 229.57,40.59 C56.2 ; 46.75,99.66 48.02,98.39 51.12,98.39 v1(54.73,102) 55.38,102.65 55.41,102.65 56.04,103.28 LED3.3 ; C66.2 194.08,13.57 LED66.3 194.45,14.87 v1(196.74,14.87) ; LED27.3 237.83,83.13 v1(237.82,83.13) 234.53,79.84 LED26.3 226.28,78.82 C26.2 ; v1(124.84,89.61) 121.46,89.61 LED6.3 121.4,89.12 120.37,88.1 C6.2 ; 350.52,108.93 ULED1.3 ; 350.52,108.93 350.79,108.65 C73.2 ; 350.52,108.93 349.72,108.13 349.72,97.48 348.87,96.63 336.77,96.63 336.44,96.96 v1(336.44,98.01) ; C16.2 139.91,71.37 v1(139.89,71.38) 139.89,70.43 v1(141.1,69.22) ; 164.98,47.19 167.06,47.19 170.62,50.75 LED39.3 ; C20.2 88.49,75.39 89.52,76.41 LED20.3 92.29,74.06 99.2,74.06 v1(99.64,74.49) 100.81,75.67 103.27,75.67 LED21.3 ; v1(319.7,88.66) 320.71,89.67 320.74,89.67 321.42,90.36 ULED14.3 ; v1(160.56,67.89) 161.04,68.37 LED23.3 ; C71.2 323.49,16.68 324.55,17.74 LED71.3 327.82,18.71 v1(328.33,18.19) ; LED55.3 205.53,37.82 v1(202.81,37.82) ; ULED13.3 266.5,116.2 v1(262.9,116.2) 265.69,116.2 265.69,116.21 ; v1(178.81,89.66) 182.36,89.66 183.07,90.37 183.07,91.8 184.24,92.96 LED9.3 ; v1(178.81,89.66) 178.8,89.65 ; C44.2 273.21,60.2 LED44.3 273.23,61.55 277.47,61.55 v1(278.1,60.93) ; LED53.3 167.48,31.12 v1(163.52,31.12) 165.88,31.12 ; v1(345.75,18.68) 345.74,18.69 LED72.3 343.72,17.76 342.62,16.66 C72.2 ; C36.2 89.19,55.75 90.22,56.77 LED36.3 92.74,57.19 94.75,55.19 v1(99.64,55.19) 100.21,55.76 LED37.3 ; C52.2 127.61,27.57 131.99,27.57 132.79,28.37 LED52.3 138.2,28.68 v1(138.8,29.28) ; v1(146.96,34.27) 148.96,32.27 v1(153.36,32.27) 151.13,34.49 SW1.1 151.4,34.84 ; v1(120.99,112.15) 124.24,112.15 ULED10.3 ; v1(237.68,61.85) 235.25,61.85 LED42.3 234.92,60.97 233,59.05 C42.2 ; C12.2 249.8,99.97 250.92,101.09 LED12.3 251.25,101.76 256.17,96.84 v1(262.73,96.84) ; LED62.3 v1(7.17,24.95) ; 158.13,61.34 160.63,61.34
